# KiCad board rabbit_mask_capacitors_right.kicad_pcb (continued)
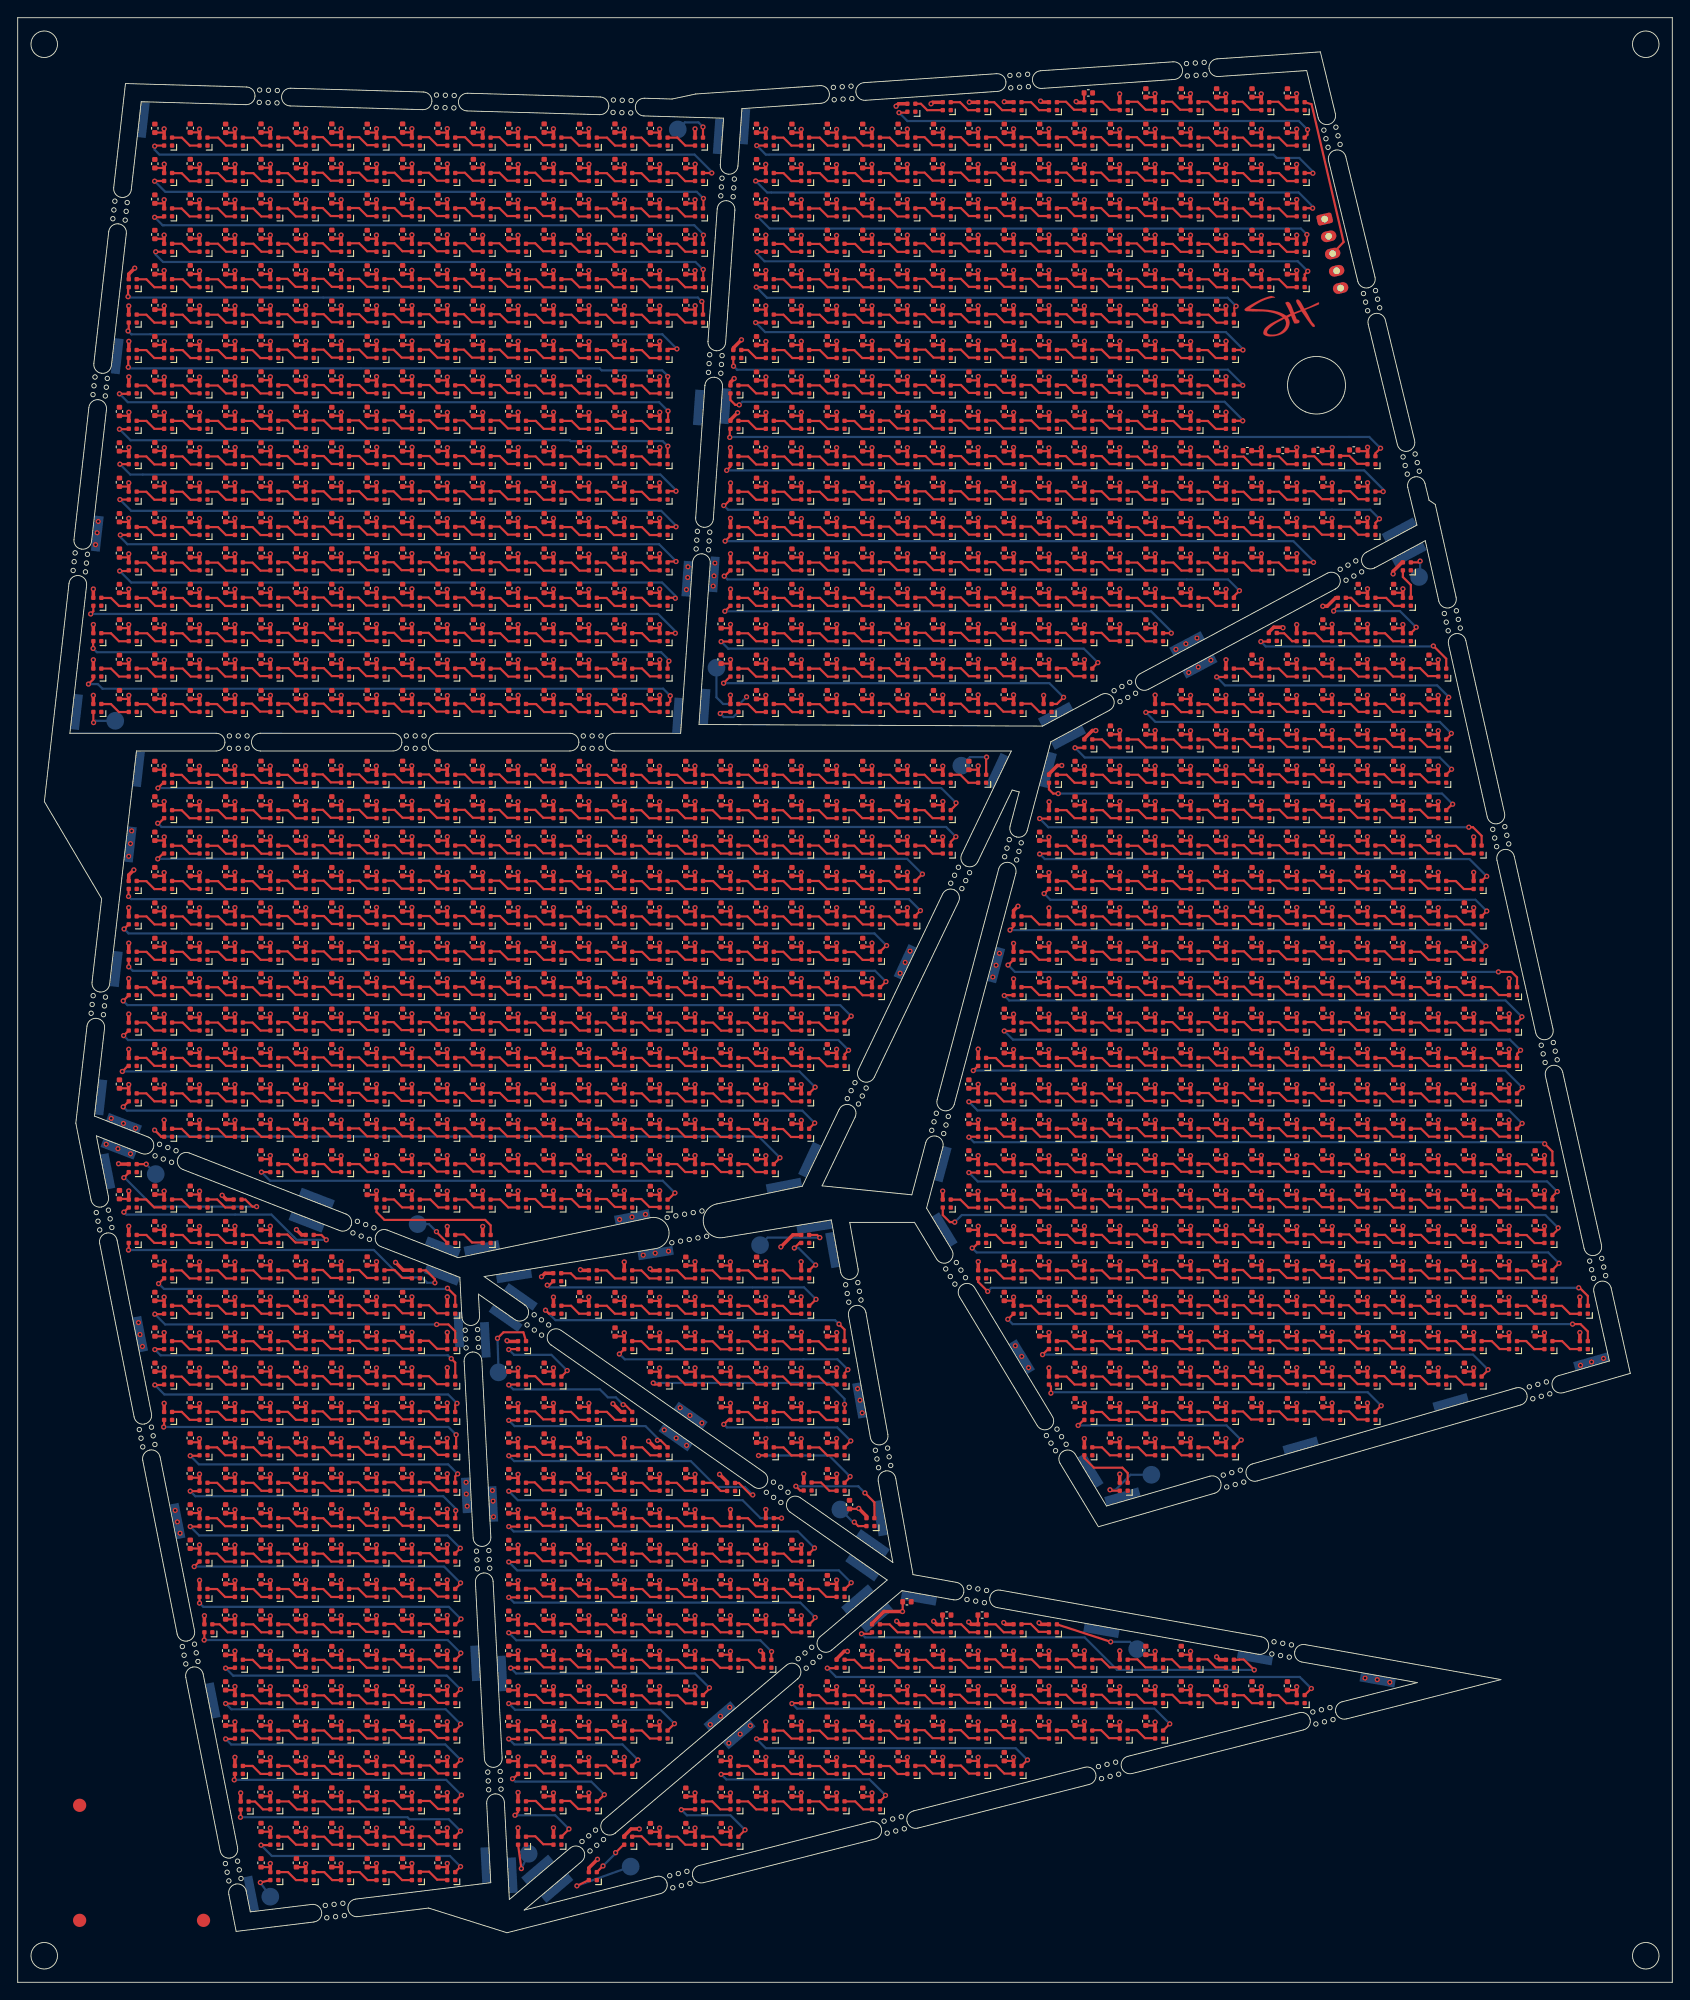
[diagram p0: board, top side]
## Placement (name value [footprint] x y rotation side) (continued)
C1485#869  0.1uF  [C_0402_1005Metric]  87.5 157.5 90 top
C1485#870  0.1uF  [C_0402_1005Metric]  39.5 201.5 90 top
C1485#871  0.1uF  [C_0402_1005Metric]  31.5 25.48 90 top
C1485#872  0.1uF  [C_0402_1005Metric]  155.5 149.5 90 top
C1485#873  0.1uF  [C_0402_1005Metric]  131.5 125.5 90 top
C1485#874  0.1uF  [C_0402_1005Metric]  31.5 189.5 90 top
C1485#875  0.1uF  [C_0402_1005Metric]  71.51 17.48 90 top
C1485#876  0.1uF  [C_0402_1005Metric]  19.5 197.52 90 top
C1485#877  0.1uF  [C_0402_1005Metric]  67.5 113.5 90 top
C1485#878  0.1uF  [C_0402_1005Metric]  167.5 81.5 90 top
C1485#879  0.1uF  [C_0402_1005Metric]  115.5 169.5 90 top
C1485#880  0.1uF  [C_0402_1005Metric]  67.5 33.48 90 top
C1485#881  0.1uF  [C_0402_1005Metric]  115.5 113.5 90 top
C1485#882  0.1uF  [C_0402_1005Metric]  143.5 209.5 90 top
C1485#883  0.1uF  [C_0402_1005Metric]  67.5 101.5 90 top
C1485#884  0.1uF  [C_0402_1005Metric]  139.5 109.5 90 top
C1485#885  0.1uF  [C_0402_1005Metric]  143.5 97.5 90 top
C1485#886  0.1uF  [C_0402_1005Metric]  19.5 53.5 90 top
C1485#887  0.1uF  [C_0402_1005Metric]  131.5 101.5 90 top
C1485#888  0.1uF  [C_0402_1005Metric]  139.5 69.5 90 top
C1485#889  0.1uF  [C_0402_1005Metric]  91.5 177.5 90 top
C1485#890  0.1uF  [C_0402_1005Metric]  19.5 149.5 90 top
C1485#891  0.1uF  [C_0402_1005Metric]  23.5 161.52 90 top
C1485#892  0.1uF  [C_0402_1005Metric]  27.5 41.5 90 top
C1485#893  0.1uF  [C_0402_1005Metric]  131.5 85.5 90 top
C1485#894  0.1uF  [C_0402_1005Metric]  55.5 93.5 90 top
C1485#895  0.1uF  [C_0402_1005Metric]  71.51 69.48 90 top
C1485#896  0.1uF  [C_0402_1005Metric]  139.5 85.5 90 top
C1485#897  0.1uF  [C_0402_1005Metric]  103.5 169.5 90 top
C1485#898  0.1uF  [C_0402_1005Metric]  47.5 17.5 90 top
C1485#899  0.1uF  [C_0402_1005Metric]  47.5 169.52 90 top
C1485#900  0.1uF  [C_0402_1005Metric]  131.5 169.5 90 top
C1485#901  0.1uF  [C_0402_1005Metric]  119.5 89.5 90 top
C1485#902  0.1uF  [C_0402_1005Metric]  59.5 113.5 90 top
C1485#903  0.1uF  [C_0402_1005Metric]  83.51 77.48 90 top
C1485#904  0.1uF  [C_0402_1005Metric]  127.5 165.5 90 top
C1485#905  0.1uF  [C_0402_1005Metric]  43.5 157.5 90 top
C1485#906  0.1uF  [C_0402_1005Metric]  31.5 201.5 90 top
C1485#907  0.1uF  [C_0402_1005Metric]  23.5 149.52 90 top
C1485#908  0.1uF  [C_0402_1005Metric]  143.5 133.5 90 top
C1485#909  0.1uF  [C_0402_1005Metric]  143.5 69.5 90 top
C1485#910  0.1uF  [C_0402_1005Metric]  27.51 97.5 90 top
C1485#911  0.1uF  [C_0402_1005Metric]  119.5 209.5 90 top
C1485#912  0.1uF  [C_0402_1005Metric]  63.5 93.5 90 top
C1485#913  0.1uF  [C_0402_1005Metric]  55.5 153.52 90 top
C1485#914  0.1uF  [C_0402_1005Metric]  103.5 149.5 90 top
C1485#915  0.1uF  [C_0402_1005Metric]  67.5 29.5 90 top
C1485#916  0.1uF  [C_0402_1005Metric]  87.5 161.5 90 top
C1485#917  0.1uF  [C_0402_1005Metric]  19.5 145.5 90 top
C1485#918  0.1uF  [C_0402_1005Metric]  31.5 77.5 90 top
C1485#919  0.1uF  [C_0402_1005Metric]  23.5 205.5 90 top
C1485#920  0.1uF  [C_0402_1005Metric]  23.5 121.5 90 top
C1485#921  0.1uF  [C_0402_1005Metric]  139.5 129.5 90 top
C1485#922  0.1uF  [C_0402_1005Metric]  35.5 149.5 90 top
C1485#923  0.1uF  [C_0402_1005Metric]  139.5 213.5 90 top
C1485#924  0.1uF  [C_0402_1005Metric]  87.5 133.5 90 top
C1485#925  0.1uF  [C_0402_1005Metric]  143.5 165.5 90 top
C1485#926  0.1uF  [C_0402_1005Metric]  55.5 209.5 90 top
C1485#927  0.1uF  [C_0402_1005Metric]  151.5 125.5 90 top
C1485#928  0.1uF  [C_0402_1005Metric]  55.5 113.5 90 top
C1485#929  0.1uF  [C_0402_1005Metric]  155.5 105.5 90 top
C1485#930  0.1uF  [C_0402_1005Metric]  19.5 121.5 90 top
C1485#931  0.1uF  [C_0402_1005Metric]  43.5 41.5 90 top
C1485#932  0.1uF  [C_0402_1005Metric]  23.5 113.5 90 top
C1485#933  0.1uF  [C_0402_1005Metric]  35.5 169.5 90 top
C1485#934  0.1uF  [C_0402_1005Metric]  155.5 133.5 90 top
C1485#935  0.1uF  [C_0402_1005Metric]  163.5 73.5 90 top
C1485#936  0.1uF  [C_0402_1005Metric]  39.5 93.5 90 top
C1485#937  0.1uF  [C_0402_1005Metric]  147.5 113.5 90 top
C1485#938  0.1uF  [C_0402_1005Metric]  27.5 45.5 90 top
C1485#939  0.1uF  [C_0402_1005Metric]  115.5 109.5 90 top
C1485#940  0.1uF  [C_0402_1005Metric]  55.5 89.48 90 top
C1485#941  0.1uF  [C_0402_1005Metric]  139.5 97.5 90 top
C1485#942  0.1uF  [C_0402_1005Metric]  83.5 41.48 90 top
C1485#943  0.1uF  [C_0402_1005Metric]  91.5 133.5 90 top
C1485#944  0.1uF  [C_0402_1005Metric]  35.5 145.5 90 top
C1485#945  0.1uF  [C_0402_1005Metric]  47.5 129.5 90 top
C1485#946  0.1uF  [C_0402_1005Metric]  107.5 209.5 90 top
C1485#947  0.1uF  [C_0402_1005Metric]  91.5 201.5 90 top
C1485#948  0.1uF  [C_0402_1005Metric]  87.51 73.48 90 top
C1485#949  0.1uF  [C_0402_1005Metric]  87.5 169.5 90 top
C1485#950  0.1uF  [C_0402_1005Metric]  143.5 33.5 90 top
C1485#951  0.1uF  [C_0402_1005Metric]  115.5 177.5 90 top
C1485#952  0.1uF  [C_0402_1005Metric]  115.5 173.5 90 top
C1485#953  0.1uF  [C_0402_1005Metric]  23.5 61.5 90 top
C1485#954  0.1uF  [C_0402_1005Metric]  67.5 149.5 90 top
C1485#955  0.1uF  [C_0402_1005Metric]  55.5 137.5 90 top
C1485#956  0.1uF  [C_0402_1005Metric]  23.5 169.52 90 top
C1485#957  0.1uF  [C_0402_1005Metric]  131.5 137.5 90 top
C1485#958  0.1uF  [C_0402_1005Metric]  75.5 37.48 90 top
C1485#959  0.1uF  [C_0402_1005Metric]  27.5 197.52 90 top
C1485#960  0.1uF  [C_0402_1005Metric]  123.5 65.5 90 top
C1485#961  0.1uF  [C_0402_1005Metric]  23.5 65.5 90 top
C1485#962  0.1uF  [C_0402_1005Metric]  119.5 185.5 90 top
C1485#963  0.1uF  [C_0402_1005Metric]  51.5 133.5 90 top
C1485#964  0.1uF  [C_0402_1005Metric]  139.5 105.5 90 top
C1485#965  0.1uF  [C_0402_1005Metric]  75.5 49.48 90 top
C1485#966  0.1uF  [C_0402_1005Metric]  87.5 137.5 90 top
C1485#967  0.1uF  [C_0402_1005Metric]  139.5 73.5 90 top
C1485#968  0.1uF  [C_0402_1005Metric]  99.5 125.5 90 top
C1485#969  0.1uF  [C_0402_1005Metric]  123.5 85.5 90 top
C1485#970  0.1uF  [C_0402_1005Metric]  43.5 169.5 90 top
C1485#971  0.1uF  [C_0402_1005Metric]  43.5 37.48 90 top
C1485#972  0.1uF  [C_0402_1005Metric]  119.5 93.5 90 top
C1485#973  0.1uF  [C_0402_1005Metric]  23.5 137.5 90 top
C1485#974  0.1uF  [C_0402_1005Metric]  27.5 81.5 90 top
C1485#975  0.1uF  [C_0402_1005Metric]  151.5 169.5 90 top
C1485#976  0.1uF  [C_0402_1005Metric]  155.5 97.5 90 top
C1485#977  0.1uF  [C_0402_1005Metric]  155.5 73.5 90 top
C1485#978  0.1uF  [C_0402_1005Metric]  87.5 121.5 90 top
C1485#979  0.1uF  [C_0402_1005Metric]  67.5 25.5 90 top
C1485#980  0.1uF  [C_0402_1005Metric]  51.5 89.48 90 top
C1485#981  0.1uF  [C_0402_1005Metric]  123.5 93.5 90 top
C1485#982  0.1uF  [C_0402_1005Metric]  107.5 93.5 90 top
C1485#983  0.1uF  [C_0402_1005Metric]  159.5 149.5 90 top
C1485#984  0.1uF  [C_0402_1005Metric]  51.5 177.5 90 top
C1485#985  0.1uF  [C_0402_1005Metric]  159.5 101.5 90 top
C1485#986  0.1uF  [C_0402_1005Metric]  27.5 169.5 90 top
C1485#987  0.1uF  [C_0402_1005Metric]  39.5 109.5 90 top
C1485#988  0.1uF  [C_0402_1005Metric]  105 41.5 0 top
C1485#989  0.1uF  [C_0402_1005Metric]  123.5 201.5 90 top
C1485#990  0.1uF  [C_0402_1005Metric]  71.5 33.48 90 top
C1485#991  0.1uF  [C_0402_1005Metric]  23.5 201.5 90 top
C1485#992  0.1uF  [C_0402_1005Metric]  83.5 45.48 90 top
C1485#993  0.1uF  [C_0402_1005Metric]  35.5 113.5 90 top
C1485#994  0.1uF  [C_0402_1005Metric]  115.5 189.5 90 top
C1485#995  0.1uF  [C_0402_1005Metric]  135.5 61.5 90 top
C1485#996  0.1uF  [C_0402_1005Metric]  107.5 149.5 90 top
C1485#997  0.1uF  [C_0402_1005Metric]  43.5 177.5 90 top
C1485#998  0.1uF  [C_0402_1005Metric]  159.5 69.5 90 top
C1485#999  0.1uF  [C_0402_1005Metric]  107.5 169.5 90 top
C1485#1000  0.1uF  [C_0402_1005Metric]  63.5 189.5 90 top
C1485#1001  0.1uF  [C_0402_1005Metric]  91.51 69.48 90 top
C1485#1002  0.1uF  [C_0402_1005Metric]  119.5 29.5 90 top
C1485#1003  0.1uF  [C_0402_1005Metric]  71.5 145.5 90 top
C1485#1004  0.1uF  [C_0402_1005Metric]  103.5 157.5 90 top
C1485#1005  0.1uF  [C_0402_1005Metric]  15.5 113.5 90 top
C1485#1006  0.1uF  [C_0402_1005Metric]  131.5 145.5 90 top
C1485#1007  0.1uF  [C_0402_1005Metric]  99.5 157.5 90 top
C1485#1008  0.1uF  [C_0402_1005Metric]  55.51 97.5 90 top
C1485#1009  0.1uF  [C_0402_1005Metric]  91.5 105.5 90 top
C1485#1010  0.1uF  [C_0402_1005Metric]  119.5 101.5 90 top
C1485#1011  0.1uF  [C_0402_1005Metric]  115.5 161.5 90 top
C1485#1012  0.1uF  [C_0402_1005Metric]  115.5 153.5 90 top
C1485#1013  0.1uF  [C_0402_1005Metric]  147.5 121.5 90 top
C1485#1014  0.1uF  [C_0402_1005Metric]  75.51 73.48 90 top
C1485#1015  0.1uF  [C_0402_1005Metric]  139.5 89.5 90 top
C1485#1016  0.1uF  [C_0402_1005Metric]  15.5 153.52 90 top
C1485#1017  0.1uF  [C_0402_1005Metric]  99.5 149.5 90 top
C1485#1018  0.1uF  [C_0402_1005Metric]  95.5 193.5 90 top
C1485#1019  0.1uF  [C_0402_1005Metric]  47.5 193.5 90 top
C1485#1020  0.1uF  [C_0402_1005Metric]  43.51 69.5 90 top
C1485#1021  0.1uF  [C_0402_1005Metric]  131.5 165.5 90 top
C1485#1022  0.1uF  [C_0402_1005Metric]  23.5 53.5 90 top
C1485#1023  0.1uF  [C_0402_1005Metric]  19.51 73.48 90 top
C1485#1024  0.1uF  [C_0402_1005Metric]  39.5 33.5 90 top
C1485#1025  0.1uF  [C_0402_1005Metric]  83.51 65.48 90 top
C1485#1026  0.1uF  [C_0402_1005Metric]  163.5 93.5 90 top
C1485#1027  0.1uF  [C_0402_1005Metric]  87.51 61.48 90 top
C1485#1028  0.1uF  [C_0402_1005Metric]  19.5 165.5 90 top
C1485#1029  0.1uF  [C_0402_1005Metric]  87.51 69.48 90 top
C1485#1030  0.1uF  [C_0402_1005Metric]  131.5 193.5 90 top
C1485#1031  0.1uF  [C_0402_1005Metric]  39.5 209.5 90 top
C1485#1032  0.1uF  [C_0402_1005Metric]  135.5 173.5 90 top
C1485#1033  0.1uF  [C_0402_1005Metric]  139.5 101.5 90 top
C1485#1034  0.1uF  [C_0402_1005Metric]  91.5 169.5 90 top
C1485#1035  0.1uF  [C_0402_1005Metric]  51.5 105.5 90 top
C1485#1036  0.1uF  [C_0402_1005Metric]  35.5 117.5 90 top
C1485#1037  0.1uF  [C_0402_1005Metric]  79.51 17.48 90 top
C1485#1038  0.1uF  [C_0402_1005Metric]  15.51 73.48 90 top
C1485#1039  0.1uF  [C_0402_1005Metric]  159.5 137.5 90 top
C1485#1040  0.1uF  [C_0402_1005Metric]  83.5 93.5 90 top
C1485#1041  0.1uF  [C_0402_1005Metric]  19.5 125.5 90 top
C1485#1042  0.1uF  [C_0402_1005Metric]  135.5 93.5 90 top
C1485#1043  0.1uF  [C_0402_1005Metric]  27.5 137.52 90 top
C1485#1044  0.1uF  [C_0402_1005Metric]  83.5 109.5 90 top
C1485#1045  0.1uF  [C_0402_1005Metric]  171.5 81.5 90 top
C1485#1046  0.1uF  [C_0402_1005Metric]  107.5 97.5 90 top
C1485#1047  0.1uF  [C_0402_1005Metric]  131.5 201.5 90 top
C1485#1048  0.1uF  [C_0402_1005Metric]  91.5 113.5 90 top
C1485#1049  0.1uF  [C_0402_1005Metric]  31.5 125.5 90 top
C1485#1050  0.1uF  [C_0402_1005Metric]  67.5 165.5 90 top
C1485#1051  0.1uF  [C_0402_1005Metric]  19.5 57.5 90 top
C1485#1052  0.1uF  [C_0402_1005Metric]  151.5 157.5 90 top
C1485#1053  0.1uF  [C_0402_1005Metric]  63.5 177.52 90 top
C1485#1054  0.1uF  [C_0402_1005Metric]  43.5 145.5 90 top
C1485#1055  0.1uF  [C_0402_1005Metric]  95.5 129.5 90 top
C1485#1056  0.1uF  [C_0402_1005Metric]  59.5 117.5 90 top
C1485#1057  0.1uF  [C_0402_1005Metric]  119.5 189.5 90 top
C1485#1058  0.1uF  [C_0402_1005Metric]  19.5 77.5 90 top
C1485#1059  0.1uF  [C_0402_1005Metric]  135.5 105.5 90 top
C1485#1060  0.1uF  [C_0402_1005Metric]  47.5 113.5 90 top
C1485#1061  0.1uF  [C_0402_1005Metric]  151.5 65.5 90 top
C1485#1062  0.1uF  [C_0402_1005Metric]  19.5 65.5 90 top
C1485#1063  0.1uF  [C_0402_1005Metric]  99.5 133.5 90 top
C1485#1064  0.1uF  [C_0402_1005Metric]  123.5 117.5 90 top
C1485#1065  0.1uF  [C_0402_1005Metric]  143.5 201.5 90 top
C1485#1066  0.1uF  [C_0402_1005Metric]  119.5 133.5 90 top
C1485#1067  0.1uF  [C_0402_1005Metric]  115.5 181.5 90 top
C1485#1068  0.1uF  [C_0402_1005Metric]  103.5 161.5 90 top
C1485#1069  0.1uF  [C_0402_1005Metric]  71.5 49.48 90 top
C1485#1070  0.1uF  [C_0402_1005Metric]  59.5 125.5 90 top
C1485#1071  0.1uF  [C_0402_1005Metric]  83.51 97.5 90 top
C1485#1072  0.1uF  [C_0402_1005Metric]  91.5 193.5 90 top
C1485#1073  0.1uF  [C_0402_1005Metric]  79.5 45.48 90 top
C1485#1074  0.1uF  [C_0402_1005Metric]  131.5 77.5 90 top
C1485#1075  0.1uF  [C_0402_1005Metric]  23.5 105.5 90 top
C1485#1076  0.1uF  [C_0402_1005Metric]  63.51 97.5 90 top
C1485#1077  0.1uF  [C_0402_1005Metric]  31.5 185.5 90 top
C1485#1078  0.1uF  [C_0402_1005Metric]  87.5 149.5 90 top
C1485#1079  0.1uF  [C_0402_1005Metric]  115.5 101.5 90 top
C1485#1080  0.1uF  [C_0402_1005Metric]  15.5 129.5 90 top
C1485#1081  0.1uF  [C_0402_1005Metric]  79.5 129.5 90 top
C1485#1082  0.1uF  [C_0402_1005Metric]  31.5 113.5 90 top
C1485#1083  0.1uF  [C_0402_1005Metric]  43.5 17.5 90 top
C1485#1084  0.1uF  [C_0402_1005Metric]  83.5 137.5 90 top
C1485#1085  0.1uF  [C_0402_1005Metric]  31.5 169.52 90 top
C1485#1086  0.1uF  [C_0402_1005Metric]  63.5 49.48 90 top
C1485#1087  0.1uF  [C_0402_1005Metric]  119.5 205.5 90 top
C1485#1088  0.1uF  [C_0402_1005Metric]  35.51 69.5 90 top
C1485#1089  0.1uF  [C_0402_1005Metric]  119.5 117.5 90 top
C1485#1090  0.1uF  [C_0402_1005Metric]  95.5 145.5 90 top
C1485#1091  0.1uF  [C_0402_1005Metric]  23.5 145.52 90 top
C1485#1092  0.1uF  [C_0402_1005Metric]  39.5 125.5 90 top
C1485#1093  0.1uF  [C_0402_1005Metric]  35.5 109.5 90 top
C1485#1094  0.1uF  [C_0402_1005Metric]  67.5 133.5 90 top
C1485#1095  0.1uF  [C_0402_1005Metric]  123.5 177.5 90 top
C1485#1096  0.1uF  [C_0402_1005Metric]  47.5 117.5 90 top
C1485#1097  0.1uF  [C_0402_1005Metric]  155.5 89.5 90 top
C1485#1098  0.1uF  [C_0402_1005Metric]  107.5 33.5 90 top
C1485#1099  0.1uF  [C_0402_1005Metric]  91.5 33.5 90 top
C1485#1100  0.1uF  [C_0402_1005Metric]  79.5 25.5 90 top
C1485#1101  0.1uF  [C_0402_1005Metric]  31.5 41.5 90 top
C1485#1102  0.1uF  [C_0402_1005Metric]  111.5 97.5 90 top
C1485#1103  0.1uF  [C_0402_1005Metric]  83.5 169.5 90 top
C1485#1104  0.1uF  [C_0402_1005Metric]  63.5 181.5 90 top
C1485#1105  0.1uF  [C_0402_1005Metric]  131.5 69.5 90 top
C1485#1106  0.1uF  [C_0402_1005Metric]  67.51 77.48 90 top
C1485#1107  0.1uF  [C_0402_1005Metric]  47.5 197.5 90 top
C1485#1108  0.1uF  [C_0402_1005Metric]  139.5 145.5 90 top
C1485#1109  0.1uF  [C_0402_1005Metric]  159.5 129.5 90 top
C1485#1110  0.1uF  [C_0402_1005Metric]  35.5 61.5 90 top
C1485#1111  0.1uF  [C_0402_1005Metric]  139.5 33.5 90 top
C1485#1112  0.1uF  [C_0402_1005Metric]  123.5 129.5 90 top
C1485#1113  0.1uF  [C_0402_1005Metric]  135.5 161.5 90 top
C1485#1114  0.1uF  [C_0402_1005Metric]  87.5 41.48 90 top
C1485#1115  0.1uF  [C_0402_1005Metric]  55.5 61.5 90 top
C1485#1116  0.1uF  [C_0402_1005Metric]  115.5 37.5 90 top
C1485#1117  0.1uF  [C_0402_1005Metric]  79.5 93.5 90 top
C1485#1118  0.1uF  [C_0402_1005Metric]  35.5 41.5 90 top
C1485#1119  0.1uF  [C_0402_1005Metric]  115.5 149.5 90 top
C1485#1120  0.1uF  [C_0402_1005Metric]  155.5 129.5 90 top
C1485#1121  0.1uF  [C_0402_1005Metric]  151.5 81.5 90 top
C1485#1122  0.1uF  [C_0402_1005Metric]  135.5 213.5 90 top
C1485#1123  0.1uF  [C_0402_1005Metric]  59.5 37.48 90 top
C1485#1124  0.1uF  [C_0402_1005Metric]  39.5 153.52 90 top
C1485#1125  0.1uF  [C_0402_1005Metric]  151.5 145.5 90 top
C1485#1126  0.1uF  [C_0402_1005Metric]  79.51 65.48 90 top
C1485#1127  0.1uF  [C_0402_1005Metric]  63.5 21.5 90 top
C1485#1128  0.1uF  [C_0402_1005Metric]  43.5 197.52 90 top
C1485#1129  0.1uF  [C_0402_1005Metric]  67.5 173.5 90 top
C1485#1130  0.1uF  [C_0402_1005Metric]  167.5 77.5 90 top
C1485#1131  0.1uF  [C_0402_1005Metric]  155.5 145.5 90 top
C1485#1132  0.1uF  [C_0402_1005Metric]  111.5 165.5 90 top
C1485#1133  0.1uF  [C_0402_1005Metric]  23.5 209.5 90 top
C1485#1134  0.1uF  [C_0402_1005Metric]  139.5 149.5 90 top
C1485#1135  0.1uF  [C_0402_1005Metric]  107.5 197.5 90 top
C1485#1136  0.1uF  [C_0402_1005Metric]  43.5 33.5 90 top
C1485#1137  0.1uF  [C_0402_1005Metric]  63.5 37.48 90 top
C1485#1138  0.1uF  [C_0402_1005Metric]  59.5 185.52 90 top
C1485#1139  0.1uF  [C_0402_1005Metric]  119.5 69.5 90 top
C1485#1140  0.1uF  [C_0402_1005Metric]  43.5 125.5 90 top
C1485#1141  0.1uF  [C_0402_1005Metric]  123.5 113.5 90 top
C1485#1142  0.1uF  [C_0402_1005Metric]  67.5 205.52 90 top
C1485#1143  0.1uF  [C_0402_1005Metric]  63.5 45.48 90 top
C1485#1144  0.1uF  [C_0402_1005Metric]  63.5 137.5 90 top
C1485#1145  0.1uF  [C_0402_1005Metric]  87.5 201.5 90 top
C1485#1146  0.1uF  [C_0402_1005Metric]  131.5 81.5 90 top
C1485#1147  0.1uF  [C_0402_1005Metric]  147.5 129.5 90 top
C1485#1148  0.1uF  [C_0402_1005Metric]  111.5 153.5 90 top
C1485#1149  0.1uF  [C_0402_1005Metric]  71.5 133.5 90 top
C1485#1150  0.1uF  [C_0402_1005Metric]  59.5 137.52 90 top
C1485#1151  0.1uF  [C_0402_1005Metric]  131.5 157.5 90 top
C1485#1152  0.1uF  [C_0402_1005Metric]  79.5 125.5 90 top
C1485#1153  0.1uF  [C_0402_1005Metric]  31.5 81.5 90 top
C1485#1154  0.1uF  [C_0402_1005Metric]  35.5 17.5 90 top
C1485#1155  0.1uF  [C_0402_1005Metric]  87.5 209.5 90 top
C1485#1156  0.1uF  [C_0402_1005Metric]  43.5 149.5 90 top
C1485#1157  0.1uF  [C_0402_1005Metric]  51.5 117.5 90 top
C1485#1158  0.1uF  [C_0402_1005Metric]  47.5 29.5 90 top
C1485#1159  0.1uF  [C_0402_1005Metric]  39.5 137.5 90 top
C1485#1160  0.1uF  [C_0402_1005Metric]  79.51 97.5 90 top
C1485#1161  0.1uF  [C_0402_1005Metric]  127.5 189.5 90 top
C1485#1162  0.1uF  [C_0402_1005Metric]  35.5 37.48 90 top
C1485#1163  0.1uF  [C_0402_1005Metric]  39.5 149.52 90 top
C1485#1164  0.1uF  [C_0402_1005Metric]  123.5 29.5 90 top
C1485#1165  0.1uF  [C_0402_1005Metric]  103.5 185.5 90 top
C1485#1166  0.1uF  [C_0402_1005Metric]  151.5 113.5 90 top
C1485#1167  0.1uF  [C_0402_1005Metric]  51.5 165.5 90 top
C1485#1168  0.1uF  [C_0402_1005Metric]  39.5 53.5 90 top
C1485#1169  0.1uF  [C_0402_1005Metric]  19.5 105.5 90 top
C1485#1170  0.1uF  [C_0402_1005Metric]  155.5 153.5 90 top
C1485#1171  0.1uF  [C_0402_1005Metric]  55.5 117.5 90 top
C1485#1172  0.1uF  [C_0402_1005Metric]  43.5 57.5 90 top
C1485#1173  0.1uF  [C_0402_1005Metric]  99.5 25.5 90 top
C1485#1174  0.1uF  [C_0402_1005Metric]  83.5 125.5 90 top
C1485#1175  0.1uF  [C_0402_1005Metric]  67.5 125.5 90 top
C1485#1176  0.1uF  [C_0402_1005Metric]  83.5 129.5 90 top
C1485#1177  0.1uF  [C_0402_1005Metric]  79.51 81.48 90 top
C1485#1178  0.1uF  [C_0402_1005Metric]  87.5 153.5 90 top
C1485#1179  0.1uF  [C_0402_1005Metric]  35.5 101.5 90 top
C1485#1180  0.1uF  [C_0402_1005Metric]  39.5 145.52 90 top
C1485#1181  0.1uF  [C_0402_1005Metric]  159.5 85.5 90 top
C1485#1182  0.1uF  [C_0402_1005Metric]  19.51 69.5 90 top
C1485#1183  0.1uF  [C_0402_1005Metric]  155.5 69.5 90 top
C1485#1184  0.1uF  [C_0402_1005Metric]  63.5 53.48 90 top
C1485#1185  0.1uF  [C_0402_1005Metric]  27.5 93.5 90 top
C1485#1186  0.1uF  [C_0402_1005Metric]  143.5 193.5 90 top
C1485#1187  0.1uF  [C_0402_1005Metric]  159.5 89.5 90 top
C1485#1188  0.1uF  [C_0402_1005Metric]  63.5 33.48 90 top
C1485#1189  0.1uF  [C_0402_1005Metric]  111.5 109.5 90 top
C1485#1190  0.1uF  [C_0402_1005Metric]  75.5 121.5 90 top
C1485#1191  0.1uF  [C_0402_1005Metric]  63.5 193.5 90 top
C1485#1192  0.1uF  [C_0402_1005Metric]  47.5 185.5 90 top
C1485#1193  0.1uF  [C_0402_1005Metric]  23.5 29.5 90 top
C1485#1194  0.1uF  [C_0402_1005Metric]  35.5 185.52 90 top
C1485#1195  0.1uF  [C_0402_1005Metric]  51.5 121.5 90 top
C1485#1196  0.1uF  [C_0402_1005Metric]  91.5 181.5 90 top
C1485#1197  0.1uF  [C_0402_1005Metric]  55.5 45.48 90 top
C1485#1198  0.1uF  [C_0402_1005Metric]  103.5 33.5 90 top
C1485#1199  0.1uF  [C_0402_1005Metric]  11.5 149.5 90 top
C1485#1200  0.1uF  [C_0402_1005Metric]  51.5 197.52 90 top
C1485#1201  0.1uF  [C_0402_1005Metric]  19.5 173.5 90 top
C1485#1202  0.1uF  [C_0402_1005Metric]  59.5 161.5 90 top
C1485#1203  0.1uF  [C_0402_1005Metric]  59.51 97.5 90 top
C1485#1204  0.1uF  [C_0402_1005Metric]  139.5 169.5 90 top
C1485#1205  0.1uF  [C_0402_1005Metric]  15.5 145.52 90 top
C1485#1206  0.1uF  [C_0402_1005Metric]  143.5 205.5 90 top
C1485#1207  0.1uF  [C_0402_1005Metric]  107.5 181.5 90 top
C1485#1208  0.1uF  [C_0402_1005Metric]  15.5 189.5 90 top
C1485#1209  0.1uF  [C_0402_1005Metric]  11.5 173.5 90 top
C1485#1210  0.1uF  [C_0402_1005Metric]  27.5 133.5 90 top
C1485#1211  0.1uF  [C_0402_1005Metric]  139.5 77.5 90 top
C1485#1212  0.1uF  [C_0402_1005Metric]  51.5 153.5 90 top
C1485#1213  0.1uF  [C_0402_1005Metric]  39.5 205.5 90 top
C1485#1214  0.1uF  [C_0402_1005Metric]  123.5 61.5 90 top
C1485#1215  0.1uF  [C_0402_1005Metric]  59.5 109.5 90 top
C1485#1216  0.1uF  [C_0402_1005Metric]  127.5 29.5 90 top
C1485#1217  0.1uF  [C_0402_1005Metric]  55.5 29.48 90 top
C1485#1218  0.1uF  [C_0402_1005Metric]  47.5 109.5 90 top
C1485#1219  0.1uF  [C_0402_1005Metric]  23.5 37.48 90 top
C1485#1220  0.1uF  [C_0402_1005Metric]  123.5 193.5 90 top
C1485#1221  0.1uF  [C_0402_1005Metric]  115.5 89.5 90 top
C1485#1222  0.1uF  [C_0402_1005Metric]  147.5 65.5 90 top
C1485#1223  0.1uF  [C_0402_1005Metric]  95.5 209.5 90 top
C1485#1224  0.1uF  [C_0402_1005Metric]  99.5 161.5 90 top
C1485#1225  0.1uF  [C_0402_1005Metric]  127.5 169.5 90 top
C1485#1226  0.1uF  [C_0402_1005Metric]  63.5 61.5 90 top
C1485#1227  0.1uF  [C_0402_1005Metric]  159.5 133.5 90 top
C1485#1228  0.1uF  [C_0402_1005Metric]  27.5 85.5 90 top
C1485#1229  0.1uF  [C_0402_1005Metric]  167.5 85.5 90 top
C1485#1230  0.1uF  [C_0402_1005Metric]  15.5 165.52 90 top
C1485#1231  0.1uF  [C_0402_1005Metric]  27.5 181.52 90 top
C1485#1232  0.1uF  [C_0402_1005Metric]  99.5 181.5 90 top
C1485#1233  0.1uF  [C_0402_1005Metric]  11.5 153.5 90 top
C1485#1234  0.1uF  [C_0402_1005Metric]  19.5 61.5 90 top
C1485#1235  0.1uF  [C_0402_1005Metric]  167.5 89.5 90 top
C1485#1236  0.1uF  [C_0402_1005Metric]  155.5 157.5 90 top
C1485#1237  0.1uF  [C_0402_1005Metric]  127.5 105.5 90 top
C1485#1238  0.1uF  [C_0402_1005Metric]  39.5 57.5 90 top
C1485#1239  0.1uF  [C_0402_1005Metric]  31.5 37.48 90 top
C1485#1240  0.1uF  [C_0402_1005Metric]  31.5 193.5 90 top
C1485#1241  0.1uF  [C_0402_1005Metric]  59.5 193.52 90 top
C1485#1242  0.1uF  [C_0402_1005Metric]  71.5 205.5 90 top
C1485#1243  0.1uF  [C_0402_1005Metric]  115.5 197.5 90 top
C1485#1244  0.1uF  [C_0402_1005Metric]  27.5 37.48 90 top
C1485#1245  0.1uF  [C_0402_1005Metric]  35.5 105.5 90 top
C1485#1246  0.1uF  [C_0402_1005Metric]  39.5 89.48 90 top
C1485#1247  0.1uF  [C_0402_1005Metric]  15.5 133.5 90 top
C1485#1248  0.1uF  [C_0402_1005Metric]  87.5 129.5 90 top
C1485#1249  0.1uF  [C_0402_1005Metric]  35.5 65.5 90 top
C1485#1250  0.1uF  [C_0402_1005Metric]  139.5 193.5 90 top
C1485#1251  0.1uF  [C_0402_1005Metric]  127.5 125.5 90 top
C1485#1252  0.1uF  [C_0402_1005Metric]  151.5 97.5 90 top
C1485#1253  0.1uF  [C_0402_1005Metric]  79.5 133.5 90 top
C1485#1254  0.1uF  [C_0402_1005Metric]  79.5 101.5 90 top
C1485#1255  0.1uF  [C_0402_1005Metric]  35.5 161.5 90 top
C1485#1256  0.1uF  [C_0402_1005Metric]  31.5 137.5 90 top
C1485#1257  0.1uF  [C_0402_1005Metric]  127.5 113.5 90 top
C1485#1258  0.1uF  [C_0402_1005Metric]  87.5 181.5 90 top
C1485#1259  0.1uF  [C_0402_1005Metric]  99.5 169.5 90 top
C1485#1260  0.1uF  [C_0402_1005Metric]  63.5 117.5 90 top
C1485#1261  0.1uF  [C_0402_1005Metric]  75.5 113.5 90 top
C1485#1262  0.1uF  [C_0402_1005Metric]  23.51 73.48 90 top
C1485#1263  0.1uF  [C_0402_1005Metric]  119.5 85.5 90 top
C1485#1264  0.1uF  [C_0402_1005Metric]  55.5 109.5 90 top
C1485#1265  0.1uF  [C_0402_1005Metric]  123.5 89.5 90 top
C1485#1266  0.1uF  [C_0402_1005Metric]  15.5 109.5 90 top
C1485#1267  0.1uF  [C_0402_1005Metric]  43.5 209.52 90 top
C1485#1268  0.1uF  [C_0402_1005Metric]  103.5 209.5 90 top
C1485#1269  0.1uF  [C_0402_1005Metric]  59.5 65.5 90 top
C1485#1270  0.1uF  [C_0402_1005Metric]  59.5 105.5 90 top
C1485#1271  0.1uF  [C_0402_1005Metric]  27.5 117.5 90 top
C1485#1272  0.1uF  [C_0402_1005Metric]  67.5 121.5 90 top
C1485#1273  0.1uF  [C_0402_1005Metric]  79.5 49.48 90 top
C1485#1274  0.1uF  [C_0402_1005Metric]  99.5 177.5 90 top
C1485#1275  0.1uF  [C_0402_1005Metric]  127.5 161.5 90 top
C1485#1276  0.1uF  [C_0402_1005Metric]  39.5 45.5 90 top
C1485#1277  0.1uF  [C_0402_1005Metric]  47.5 101.5 90 top
C1485#1278  0.1uF  [C_0402_1005Metric]  19.5 133.5 90 top
C1485#1279  0.1uF  [C_0402_1005Metric]  155.5 137.5 90 top
C1485#1280  0.1uF  [C_0402_1005Metric]  171.5 93.5 90 top
C1485#1281  0.1uF  [C_0402_1005Metric]  23.5 133.5 90 top
C1485#1282  0.1uF  [C_0402_1005Metric]  35.5 181.52 90 top
C1485#1283  0.1uF  [C_0402_1005Metric]  79.5 41.48 90 top
C1485#1284  0.1uF  [C_0402_1005Metric]  99.5 33.5 90 top
C1485#1285  0.1uF  [C_0402_1005Metric]  127.5 197.5 90 top
C1485#1286  0.1uF  [C_0402_1005Metric]  87.5 25.5 90 top
C1485#1287  0.1uF  [C_0402_1005Metric]  63.5 205.5 90 top
C1485#1288  0.1uF  [C_0402_1005Metric]  123.5 137.5 90 top
C1485#1289  0.1uF  [C_0402_1005Metric]  147.5 81.5 90 top
C1485#1290  0.1uF  [C_0402_1005Metric]  67.5 197.52 90 top
C1485#1291  0.1uF  [C_0402_1005Metric]  75.51 77.48 90 top
C1485#1292  0.1uF  [C_0402_1005Metric]  83.5 177.5 90 top
C1485#1293  0.1uF  [C_0402_1005Metric]  27.5 165.5 90 top
C1485#1294  0.1uF  [C_0402_1005Metric]  15.5 161.52 90 top
C1485#1295  0.1uF  [C_0402_1005Metric]  123.5 181.5 90 top
C1485#1296  0.1uF  [C_0402_1005Metric]  15.5 173.52 90 top
C1485#1297  0.1uF  [C_0402_1005Metric]  31.5 121.5 90 top
C1485#1298  0.1uF  [C_0402_1005Metric]  147.5 165.5 90 top